# KiCad board panel.kicad_pcb (continued)
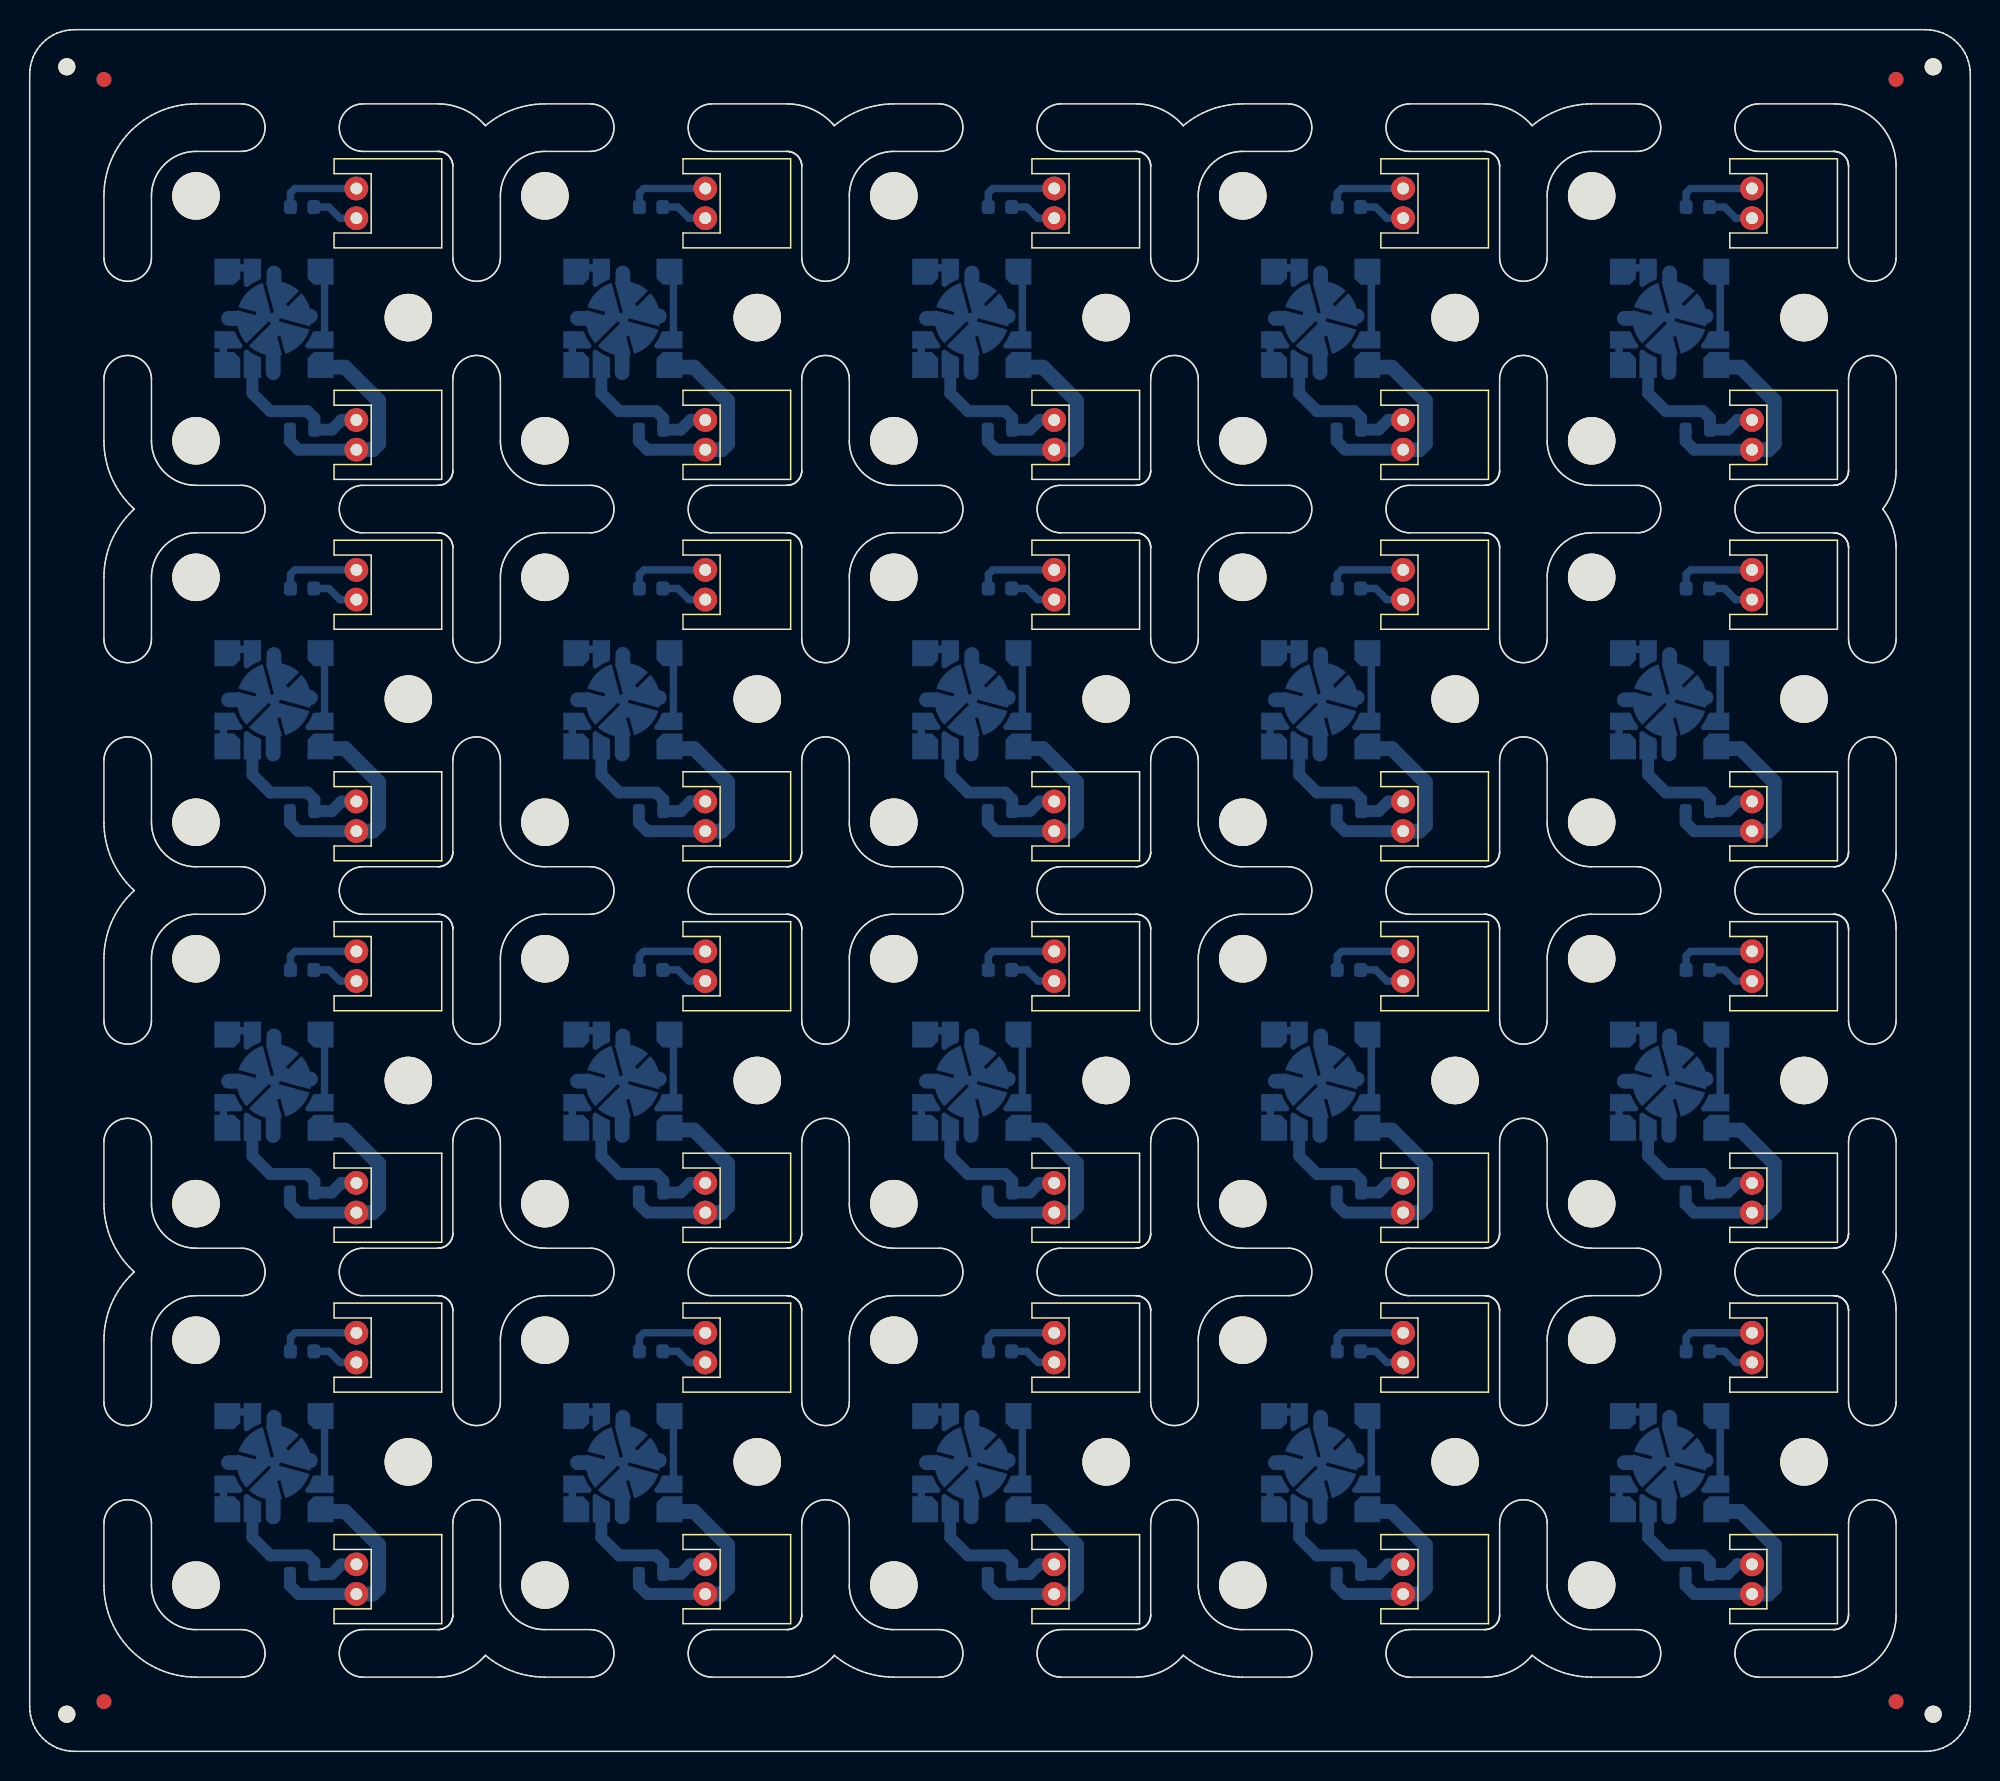
[diagram p0: board, top side]
## Nets
Board_0-/LED_A: D1#19.1 D2#10.2 J3#18.1
Board_0-/LED_K: D1#19.8 D2#10.1 J3#18.2
Board_0-Net-(D1-A2): D1#19.2 D1#19.3
Board_0-Net-(D1-A3): D1#19.4 D1#19.5
Board_0-Net-(D1-A4): D1#19.6 D1#19.7
Board_0-Net-(J1-Pin_1): J1#13.1 TH1#19.1
Board_0-Net-(J1-Pin_2): J1#13.2 TH1#19.2
Board_0-unconnected-(D1-SLUG-Pad9): D1#19.9
Board_1-/LED_A: D1#3.1 D2#18.2 J3#3.1
Board_1-/LED_K: D1#3.8 D2#18.1 J3#3.2
Board_1-Net-(D1-A2): D1#3.2 D1#3.3
Board_1-Net-(D1-A3): D1#3.4 D1#3.5
Board_1-Net-(D1-A4): D1#3.6 D1#3.7
Board_1-Net-(J1-Pin_1): J1#14.1 TH1#18.1
Board_1-Net-(J1-Pin_2): J1#14.2 TH1#18.2
Board_1-unconnected-(D1-SLUG-Pad9): D1#3.9
Board_2-/LED_A: D1#18.1 D2#14.2 J3.1
Board_2-/LED_K: D1#18.8 D2#14.1 J3.2
Board_2-Net-(D1-A2): D1#18.2 D1#18.3
Board_2-Net-(D1-A3): D1#18.4 D1#18.5
Board_2-Net-(D1-A4): D1#18.6 D1#18.7
Board_2-Net-(J1-Pin_1): J1#9.1 TH1#14.1
Board_2-Net-(J1-Pin_2): J1#9.2 TH1#14.2
Board_2-unconnected-(D1-SLUG-Pad9): D1#18.9
Board_3-/LED_A: D1.1 D2#7.2 J3#12.1
Board_3-/LED_K: D1.8 D2#7.1 J3#12.2
Board_3-Net-(D1-A2): D1.2 D1.3
Board_3-Net-(D1-A3): D1.4 D1.5
Board_3-Net-(D1-A4): D1.6 D1.7
Board_3-Net-(J1-Pin_1): J1#15.1 TH1#3.1
Board_3-Net-(J1-Pin_2): J1#15.2 TH1#3.2
Board_3-unconnected-(D1-SLUG-Pad9): D1.9
Board_4-/LED_A: D1#7.1 D2#8.2 J3#20.1
Board_4-/LED_K: D1#7.8 D2#8.1 J3#20.2
Board_4-Net-(D1-A2): D1#7.2 D1#7.3
Board_4-Net-(D1-A3): D1#7.4 D1#7.5
Board_4-Net-(D1-A4): D1#7.6 D1#7.7
Board_4-Net-(J1-Pin_1): J1#11.1 TH1#20.1
Board_4-Net-(J1-Pin_2): J1#11.2 TH1#20.2
Board_4-unconnected-(D1-SLUG-Pad9): D1#7.9
Board_5-/LED_A: D1#15.1 D2#19.2 J3#4.1
Board_5-/LED_K: D1#15.8 D2#19.1 J3#4.2
Board_5-Net-(D1-A2): D1#15.2 D1#15.3
Board_5-Net-(D1-A3): D1#15.4 D1#15.5
Board_5-Net-(D1-A4): D1#15.6 D1#15.7
Board_5-Net-(J1-Pin_1): J1#7.1 TH1#6.1
Board_5-Net-(J1-Pin_2): J1#7.2 TH1#6.2
Board_5-unconnected-(D1-SLUG-Pad9): D1#15.9
Board_6-/LED_A: D1#13.1 D2#13.2 J3#7.1
Board_6-/LED_K: D1#13.8 D2#13.1 J3#7.2
Board_6-Net-(D1-A2): D1#13.2 D1#13.3
Board_6-Net-(D1-A3): D1#13.4 D1#13.5
Board_6-Net-(D1-A4): D1#13.6 D1#13.7
Board_6-Net-(J1-Pin_1): J1#20.1 TH1#17.1
Board_6-Net-(J1-Pin_2): J1#20.2 TH1#17.2
Board_6-unconnected-(D1-SLUG-Pad9): D1#13.9
Board_7-/LED_A: D1#12.1 D2#12.2 J3#8.1
Board_7-/LED_K: D1#12.8 D2#12.1 J3#8.2
Board_7-Net-(D1-A2): D1#12.2 D1#12.3
Board_7-Net-(D1-A3): D1#12.4 D1#12.5
Board_7-Net-(D1-A4): D1#12.6 D1#12.7
Board_7-Net-(J1-Pin_1): J1#8.1 TH1#7.1
Board_7-Net-(J1-Pin_2): J1#8.2 TH1#7.2
Board_7-unconnected-(D1-SLUG-Pad9): D1#12.9
Board_8-/LED_A: D1#5.1 D2#17.2 J3#2.1
Board_8-/LED_K: D1#5.8 D2#17.1 J3#2.2
Board_8-Net-(D1-A2): D1#5.2 D1#5.3
Board_8-Net-(D1-A3): D1#5.4 D1#5.5
Board_8-Net-(D1-A4): D1#5.6 D1#5.7
Board_8-Net-(J1-Pin_1): J1#16.1 TH1#5.1
Board_8-Net-(J1-Pin_2): J1#16.2 TH1#5.2
Board_8-unconnected-(D1-SLUG-Pad9): D1#5.9
Board_9-/LED_A: D1#6.1 D2#20.2 J3#16.1
Board_9-/LED_K: D1#6.8 D2#20.1 J3#16.2
Board_9-Net-(D1-A2): D1#6.2 D1#6.3
Board_9-Net-(D1-A3): D1#6.4 D1#6.5
Board_9-Net-(D1-A4): D1#6.6 D1#6.7
Board_9-Net-(J1-Pin_1): J1#5.1 TH1#15.1
Board_9-Net-(J1-Pin_2): J1#5.2 TH1#15.2
Board_9-unconnected-(D1-SLUG-Pad9): D1#6.9
Board_10-/LED_A: D1#9.1 D2#16.2 J3#5.1
Board_10-/LED_K: D1#9.8 D2#16.1 J3#5.2
Board_10-Net-(D1-A2): D1#9.2 D1#9.3
Board_10-Net-(D1-A3): D1#9.4 D1#9.5
Board_10-Net-(D1-A4): D1#9.6 D1#9.7
Board_10-Net-(J1-Pin_1): J1#12.1 TH1#13.1
Board_10-Net-(J1-Pin_2): J1#12.2 TH1#13.2
Board_10-unconnected-(D1-SLUG-Pad9): D1#9.9
Board_11-/LED_A: D1#2.1 D2#15.2 J3#15.1
Board_11-/LED_K: D1#2.8 D2#15.1 J3#15.2
Board_11-Net-(D1-A2): D1#2.2 D1#2.3
Board_11-Net-(D1-A3): D1#2.4 D1#2.5
Board_11-Net-(D1-A4): D1#2.6 D1#2.7
Board_11-Net-(J1-Pin_1): J1#10.1 TH1#2.1
Board_11-Net-(J1-Pin_2): J1#10.2 TH1#2.2
Board_11-unconnected-(D1-SLUG-Pad9): D1#2.9
Board_12-/LED_A: D1#8.1 D2#4.2 J3#13.1
Board_12-/LED_K: D1#8.8 D2#4.1 J3#13.2
Board_12-Net-(D1-A2): D1#8.2 D1#8.3
Board_12-Net-(D1-A3): D1#8.4 D1#8.5
Board_12-Net-(D1-A4): D1#8.6 D1#8.7
Board_12-Net-(J1-Pin_1): J1#2.1 TH1#9.1
Board_12-Net-(J1-Pin_2): J1#2.2 TH1#9.2
Board_12-unconnected-(D1-SLUG-Pad9): D1#8.9
Board_13-/LED_A: D1#14.1 D2.2 J3#9.1
Board_13-/LED_K: D1#14.8 D2.1 J3#9.2
Board_13-Net-(D1-A2): D1#14.2 D1#14.3
Board_13-Net-(D1-A3): D1#14.4 D1#14.5
Board_13-Net-(D1-A4): D1#14.6 D1#14.7
Board_13-Net-(J1-Pin_1): J1#17.1 TH1#4.1
Board_13-Net-(J1-Pin_2): J1#17.2 TH1#4.2
Board_13-unconnected-(D1-SLUG-Pad9): D1#14.9
Board_14-/LED_A: D1#17.1 D2#5.2 J3#6.1
Board_14-/LED_K: D1#17.8 D2#5.1 J3#6.2
Board_14-Net-(D1-A2): D1#17.2 D1#17.3
Board_14-Net-(D1-A3): D1#17.4 D1#17.5
Board_14-Net-(D1-A4): D1#17.6 D1#17.7
Board_14-Net-(J1-Pin_1): J1#18.1 TH1#11.1
Board_14-Net-(J1-Pin_2): J1#18.2 TH1#11.2
Board_14-unconnected-(D1-SLUG-Pad9): D1#17.9
Board_15-/LED_A: D1#10.1 D2#3.2 J3#14.1
Board_15-/LED_K: D1#10.8 D2#3.1 J3#14.2
Board_15-Net-(D1-A2): D1#10.2 D1#10.3
Board_15-Net-(D1-A3): D1#10.4 D1#10.5
Board_15-Net-(D1-A4): D1#10.6 D1#10.7
Board_15-Net-(J1-Pin_1): J1#6.1 TH1.1
Board_15-Net-(J1-Pin_2): J1#6.2 TH1.2
Board_15-unconnected-(D1-SLUG-Pad9): D1#10.9
Board_16-/LED_A: D1#20.1 D2#9.2 J3#17.1
Board_16-/LED_K: D1#20.8 D2#9.1 J3#17.2
Board_16-Net-(D1-A2): D1#20.2 D1#20.3
Board_16-Net-(D1-A3): D1#20.4 D1#20.5
Board_16-Net-(D1-A4): D1#20.6 D1#20.7
Board_16-Net-(J1-Pin_1): J1#4.1 TH1#12.1
Board_16-Net-(J1-Pin_2): J1#4.2 TH1#12.2
Board_16-unconnected-(D1-SLUG-Pad9): D1#20.9
Board_17-/LED_A: D1#4.1 D2#11.2 J3#11.1
Board_17-/LED_K: D1#4.8 D2#11.1 J3#11.2
Board_17-Net-(D1-A2): D1#4.2 D1#4.3
Board_17-Net-(D1-A3): D1#4.4 D1#4.5
Board_17-Net-(D1-A4): D1#4.6 D1#4.7
Board_17-Net-(J1-Pin_1): J1.1 TH1#8.1
Board_17-Net-(J1-Pin_2): J1.2 TH1#8.2
Board_17-unconnected-(D1-SLUG-Pad9): D1#4.9
Board_18-/LED_A: D1#11.1 D2#6.2 J3#10.1
Board_18-/LED_K: D1#11.8 D2#6.1 J3#10.2
Board_18-Net-(D1-A2): D1#11.2 D1#11.3
Board_18-Net-(D1-A3): D1#11.4 D1#11.5
Board_18-Net-(D1-A4): D1#11.6 D1#11.7
Board_18-Net-(J1-Pin_1): J1#3.1 TH1#16.1
Board_18-Net-(J1-Pin_2): J1#3.2 TH1#16.2
Board_18-unconnected-(D1-SLUG-Pad9): D1#11.9
Board_19-/LED_A: D1#16.1 D2#2.2 J3#19.1
Board_19-/LED_K: D1#16.8 D2#2.1 J3#19.2
Board_19-Net-(D1-A2): D1#16.2 D1#16.3
Board_19-Net-(D1-A3): D1#16.4 D1#16.5
Board_19-Net-(D1-A4): D1#16.6 D1#16.7
Board_19-Net-(J1-Pin_1): J1#19.1 TH1#10.1
Board_19-Net-(J1-Pin_2): J1#19.2 TH1#10.2
Board_19-unconnected-(D1-SLUG-Pad9): D1#16.9

## Routing (per net, layer and track width the routed paths; a pad name or vN(x,y) marks a point on that pad's centre or on a via; arc(x,y) is an arc through that point)
Board_0-/LED_A: length 14.9
  Bottom w0.8: 22.5,87.7 18.1,87.7 17.52,88.28 D2#10.2
  Bottom w1: D1#19.1 21.24,93.26 23.5,91 23.5,88.1 23.1,87.7 22.5,87.7
Board_0-/LED_K: length 10.4
  Bottom w0.8: J3#18.2 21,89.7 20.35,89.05 D2#10.1 19.17,89.83 18.7,90.3 16.2,90.3 15,91.5 D1#19.8
Board_0-Net-(D1-A2): length 4.6
  Bottom w0.5: D1#19.3 19.85,99.59 D1#19.2
Board_0-Net-(D1-A3): length 1.8
  Bottom w0.5: D1#19.4 13.41,99.95 D1#19.5
Board_0-Net-(D1-A4): length 1.7
  Bottom w0.5: D1#19.7 13.04,93.5 D1#19.6
Board_0-Net-(J1-Pin_1): length 3.7
  Bottom w0.5: TH1#19.1 20.15,104.05 20.9,103.3 22.5,103.3
Board_0-Net-(J1-Pin_2): length 5.5
  Bottom w0.5: 17.56,104.55 17.56,105 17.86,105.3 22.5,105.3
Board_0-unconnected-(D1-SLUG-Pad9): length 2.8
  Bottom w1: 18.9,96.7 18.65,96.7 ; 16.4,94.22 16.4,92.9 ; 16.45,99.6 16.45,99 ; 13.97,96.55 13.4,96.55
Board_1-/LED_A: length 14.9
  Bottom w0.8: D2#18.2 41.02,88.28 41.6,87.7 46,87.7
  Bottom w1: D1#3.1 44.74,93.26 47,91 47,88.1 46.6,87.7 46,87.7
Board_1-/LED_K: length 10.4
  Bottom w0.8: J3#3.2 44.5,89.7 43.85,89.05 D2#18.1 42.67,89.83 42.2,90.3 39.7,90.3 38.5,91.5 D1#3.8
Board_1-Net-(D1-A2): length 4.6
  Bottom w0.5: D1#3.2 43.35,99.59 D1#3.3
Board_1-Net-(D1-A3): length 1.8
  Bottom w0.5: D1#3.5 36.91,99.95 D1#3.4
Board_1-Net-(D1-A4): length 1.7
  Bottom w0.5: D1#3.7 36.54,93.5 D1#3.6
Board_1-Net-(J1-Pin_1): length 3.7
  Bottom w0.5: 46,103.3 44.4,103.3 43.65,104.05 TH1#18.1
Board_1-Net-(J1-Pin_2): length 5.5
  Bottom w0.5: 46,105.3 41.36,105.3 41.06,105 41.06,104.55
Board_1-unconnected-(D1-SLUG-Pad9): length 2.8
  Bottom w1: 39.95,99.6 39.95,99 ; 39.9,94.22 39.9,92.9 ; 42.4,96.7 42.15,96.7 ; 37.47,96.55 36.9,96.55
Board_2-/LED_A: length 14.9
  Bottom w0.8: D2#14.2 64.53,88.28 65.1,87.7 69.5,87.7
  Bottom w1: 69.5,87.7 70.1,87.7 70.5,88.1 70.5,91 68.24,93.26 D1#18.1
Board_2-/LED_K: length 10.4
  Bottom w0.8: D1#18.8 62,91.5 63.2,90.3 65.7,90.3 66.17,89.83 D2#14.1 67.35,89.05 68,89.7 J3.2
Board_2-Net-(D1-A2): length 4.6
  Bottom w0.5: D1#18.3 66.85,99.59 D1#18.2
Board_2-Net-(D1-A3): length 1.8
  Bottom w0.5: D1#18.4 60.41,99.95 D1#18.5
Board_2-Net-(D1-A4): length 1.7
  Bottom w0.5: D1#18.7 60.04,93.5 D1#18.6
Board_2-Net-(J1-Pin_1): length 3.7
  Bottom w0.5: 69.5,103.3 67.9,103.3 67.15,104.05 TH1#14.1
Board_2-Net-(J1-Pin_2): length 5.5
  Bottom w0.5: 69.5,105.3 64.86,105.3 64.56,105 64.56,104.55
Board_2-unconnected-(D1-SLUG-Pad9): length 2.7
  Bottom w1: 65.9,96.7 65.65,96.7 ; 63.4,94.22 63.4,92.9 ; 60.97,96.55 60.4,96.55 ; 63.45,99.6 63.45,99
Board_3-/LED_A: length 14.9
  Bottom w0.8: D2#7.2 88.03,88.28 88.6,87.7 93,87.7
  Bottom w1: 93,87.7 93.6,87.7 94,88.1 94,91 91.74,93.26 D1.1
Board_3-/LED_K: length 10.4
  Bottom w0.8: D1.8 85.5,91.5 86.7,90.3 89.2,90.3 89.67,89.83 D2#7.1 90.85,89.05 91.5,89.7 J3#12.2
Board_3-Net-(D1-A2): length 4.6
  Bottom w0.5: D1.2 90.35,99.59 D1.3
Board_3-Net-(D1-A3): length 1.8
  Bottom w0.5: D1.5 83.91,99.95 D1.4
Board_3-Net-(D1-A4): length 1.7
  Bottom w0.5: D1.7 83.54,93.5 D1.6
Board_3-Net-(J1-Pin_1): length 3.7
  Bottom w0.5: TH1#3.1 90.65,104.05 91.4,103.3 93,103.3
Board_3-Net-(J1-Pin_2): length 5.5
  Bottom w0.5: 88.06,104.55 88.06,105 88.36,105.3 93,105.3
Board_3-unconnected-(D1-SLUG-Pad9): length 2.7
  Bottom w1: 84.47,96.55 83.9,96.55 ; 86.95,99.6 86.95,99 ; 89.4,96.7 89.15,96.7 ; 86.9,94.22 86.9,92.9
Board_4-/LED_A: length 14.9
  Bottom w0.8: D2#8.2 111.53,88.28 112.1,87.7 116.5,87.7
  Bottom w1: 116.5,87.7 117.1,87.7 117.5,88.1 117.5,91 115.24,93.26 D1#7.1
Board_4-/LED_K: length 10.4
  Bottom w0.8: D1#7.8 109,91.5 110.2,90.3 112.7,90.3 113.17,89.83 D2#8.1 114.35,89.05 115,89.7 J3#20.2
Board_4-Net-(D1-A2): length 4.6
  Bottom w0.5: D1#7.2 113.85,99.59 D1#7.3
Board_4-Net-(D1-A3): length 1.8
  Bottom w0.5: D1#7.5 107.41,99.95 D1#7.4
Board_4-Net-(D1-A4): length 1.7
  Bottom w0.5: D1#7.7 107.04,93.5 D1#7.6
Board_4-Net-(J1-Pin_1): length 3.7
  Bottom w0.5: 116.5,103.3 114.9,103.3 114.15,104.05 TH1#20.1
Board_4-Net-(J1-Pin_2): length 5.5
  Bottom w0.5: 116.5,105.3 111.86,105.3 111.56,105 111.56,104.55
Board_4-unconnected-(D1-SLUG-Pad9): length 2.7
  Bottom w1: 112.9,96.7 112.65,96.7 ; 107.97,96.55 107.4,96.55 ; 110.4,94.22 110.4,92.9 ; 110.45,99.6 110.45,99
Board_5-/LED_A: length 14.9
  Bottom w0.8: 22.5,62 18.1,62 17.52,62.58 D2#19.2
  Bottom w1: D1#15.1 21.24,67.56 23.5,65.3 23.5,62.4 23.1,62 22.5,62
Board_5-/LED_K: length 10.4
  Bottom w0.8: D1#15.8 15,65.8 16.2,64.6 18.7,64.6 19.17,64.12 D2#19.1 20.35,63.35 21,64 J3#4.2
Board_5-Net-(D1-A2): length 4.6
  Bottom w0.5: D1#15.3 19.85,73.9 D1#15.2
Board_5-Net-(D1-A3): length 1.8
  Bottom w0.5: 15,74.25 13.41,74.25 D1#15.5
Board_5-Net-(D1-A4): length 1.7
  Bottom w0.5: D1#15.7 13.04,67.81 D1#15.6
Board_5-Net-(J1-Pin_1): length 3.7
  Bottom w0.5: TH1#6.1 20.15,78.35 20.9,77.6 22.5,77.6
Board_5-Net-(J1-Pin_2): length 5.5
  Bottom w0.5: 22.5,79.6 17.86,79.6 17.56,79.3 17.56,78.85
Board_5-unconnected-(D1-SLUG-Pad9): length 2.8
  Bottom w1: 16.45,73.9 16.45,73.3 ; 18.9,71 18.65,71 ; 13.97,70.85 13.4,70.85 ; 16.4,68.53 16.4,67.2
Board_6-/LED_A: length 14.9
  Bottom w0.8: 46,62 41.6,62 41.02,62.58 D2#13.2
  Bottom w1: D1#13.1 44.74,67.56 47,65.3 47,62.4 46.6,62 46,62
Board_6-/LED_K: length 10.4
  Bottom w0.8: D1#13.8 38.5,65.8 39.7,64.6 42.2,64.6 42.67,64.12 D2#13.1 43.85,63.35 44.5,64 J3#7.2
Board_6-Net-(D1-A2): length 4.6
  Bottom w0.5: D1#13.2 43.35,73.9 D1#13.3
Board_6-Net-(D1-A3): length 1.8
  Bottom w0.5: D1#13.5 36.91,74.25 38.5,74.25
Board_6-Net-(D1-A4): length 1.7
  Bottom w0.5: D1#13.6 36.54,67.81 D1#13.7
Board_6-Net-(J1-Pin_1): length 3.7
  Bottom w0.5: TH1#17.1 43.65,78.35 44.4,77.6 46,77.6
Board_6-Net-(J1-Pin_2): length 5.5
  Bottom w0.5: 46,79.6 41.36,79.6 41.06,79.3 41.06,78.85
Board_6-unconnected-(D1-SLUG-Pad9): length 2.8
  Bottom w1: 39.95,73.9 39.95,73.3 ; 37.47,70.85 36.9,70.85 ; 39.9,68.53 39.9,67.2 ; 42.4,71 42.15,71
Board_7-/LED_A: length 14.9
  Bottom w0.8: 69.5,62 65.1,62 64.53,62.58 D2#12.2
  Bottom w1: 69.5,62 70.1,62 70.5,62.4 70.5,65.3 68.24,67.56 D1#12.1
Board_7-/LED_K: length 10.4
  Bottom w0.8: D1#12.8 62,65.8 63.2,64.6 65.7,64.6 66.17,64.12 D2#12.1 67.35,63.35 68,64 J3#8.2
Board_7-Net-(D1-A2): length 4.6
  Bottom w0.5: D1#12.3 66.85,73.9 D1#12.2
Board_7-Net-(D1-A3): length 1.8
  Bottom w0.5: D1#12.5 60.41,74.25 62,74.25
Board_7-Net-(D1-A4): length 1.7
  Bottom w0.5: D1#12.7 60.04,67.81 D1#12.6
Board_7-Net-(J1-Pin_1): length 3.7
  Bottom w0.5: 69.5,77.6 67.9,77.6 67.15,78.35 TH1#7.1
Board_7-Net-(J1-Pin_2): length 5.5
  Bottom w0.5: 69.5,79.6 64.86,79.6 64.56,79.3 64.56,78.85
Board_7-unconnected-(D1-SLUG-Pad9): length 2.7
  Bottom w1: 63.4,68.53 63.4,67.2 ; 65.9,71 65.65,71 ; 60.97,70.85 60.4,70.85 ; 63.45,73.9 63.45,73.3
Board_8-/LED_A: length 14.9
  Bottom w0.8: 93,62 88.6,62 88.03,62.58 D2#17.2
  Bottom w1: D1#5.1 91.74,67.56 94,65.3 94,62.4 93.6,62 93,62
Board_8-/LED_K: length 10.4
  Bottom w0.8: D1#5.8 85.5,65.8 86.7,64.6 89.2,64.6 89.67,64.12 D2#17.1 90.85,63.35 91.5,64 J3#2.2
Board_8-Net-(D1-A2): length 4.6
  Bottom w0.5: D1#5.3 90.35,73.9 D1#5.2
Board_8-Net-(D1-A3): length 1.8
  Bottom w0.5: 85.5,74.25 83.91,74.25 D1#5.5
Board_8-Net-(D1-A4): length 1.7
  Bottom w0.5: D1#5.6 83.54,67.81 D1#5.7
Board_8-Net-(J1-Pin_1): length 3.7
  Bottom w0.5: 93,77.6 91.4,77.6 90.65,78.35 TH1#5.1
Board_8-Net-(J1-Pin_2): length 5.5
  Bottom w0.5: 93,79.6 88.36,79.6 88.06,79.3 88.06,78.85
Board_8-unconnected-(D1-SLUG-Pad9): length 2.7
  Bottom w1: 86.9,68.53 86.9,67.2 ; 84.47,70.85 83.9,70.85 ; 89.4,71 89.15,71 ; 86.95,73.9 86.95,73.3
Board_9-/LED_A: length 14.9
  Bottom w0.8: D2#20.2 111.53,62.58 112.1,62 116.5,62
  Bottom w1: D1#6.1 115.24,67.56 117.5,65.3 117.5,62.4 117.1,62 116.5,62
Board_9-/LED_K: length 10.4
  Bottom w0.8: J3#16.2 115,64 114.35,63.35 D2#20.1 113.17,64.12 112.7,64.6 110.2,64.6 109,65.8 D1#6.8
Board_9-Net-(D1-A2): length 4.6
  Bottom w0.5: D1#6.3 113.85,73.9 D1#6.2
Board_9-Net-(D1-A3): length 1.8
  Bottom w0.5: 109,74.25 107.41,74.25 D1#6.5
Board_9-Net-(D1-A4): length 1.7
  Bottom w0.5: D1#6.7 107.04,67.81 D1#6.6
Board_9-Net-(J1-Pin_1): length 3.7
  Bottom w0.5: 116.5,77.6 114.9,77.6 114.15,78.35 TH1#15.1
Board_9-Net-(J1-Pin_2): length 5.5
  Bottom w0.5: 111.56,78.85 111.56,79.3 111.86,79.6 116.5,79.6
Board_9-unconnected-(D1-SLUG-Pad9): length 2.7
  Bottom w1: 110.4,68.53 110.4,67.2 ; 110.45,73.9 110.45,73.3 ; 112.9,71 112.65,71 ; 107.97,70.85 107.4,70.85
Board_10-/LED_A: length 14.9
  Bottom w0.8: D2#16.2 17.52,36.88 18.1,36.3 22.5,36.3
  Bottom w1: D1#9.1 21.24,41.86 23.5,39.6 23.5,36.7 23.1,36.3 22.5,36.3
Board_10-/LED_K: length 10.4
  Bottom w0.8: D1#9.8 15,40.1 16.2,38.9 18.7,38.9 19.17,38.42 D2#16.1 20.35,37.65 21,38.3 J3#5.2
Board_10-Net-(D1-A2): length 4.6
  Bottom w0.5: D1#9.3 19.85,48.19 D1#9.2
Board_10-Net-(D1-A3): length 1.8
  Bottom w0.5: D1#9.4 13.41,48.56 D1#9.5
Board_10-Net-(D1-A4): length 1.7
  Bottom w0.5: D1#9.7 13.04,42.11 D1#9.6
Board_10-Net-(J1-Pin_1): length 3.7
  Bottom w0.5: 22.5,51.9 20.9,51.9 20.15,52.65 TH1#13.1
Board_10-Net-(J1-Pin_2): length 5.5
  Bottom w0.5: 17.56,53.15 17.56,53.6 17.86,53.9 22.5,53.9
Board_10-unconnected-(D1-SLUG-Pad9): length 2.8
  Bottom w1: 13.97,45.15 13.4,45.15 ; 16.4,42.83 16.4,41.5 ; 16.45,48.2 16.45,47.6 ; 18.9,45.3 18.65,45.3
Board_11-/LED_A: length 14.9
  Bottom w0.8: 46,36.3 41.6,36.3 41.02,36.88 D2#15.2
  Bottom w1: 46,36.3 46.6,36.3 47,36.7 47,39.6 44.74,41.86 D1#2.1
Board_11-/LED_K: length 10.4
  Bottom w0.8: D1#2.8 38.5,40.1 39.7,38.9 42.2,38.9 42.67,38.42 D2#15.1 43.85,37.65 44.5,38.3 J3#15.2
Board_11-Net-(D1-A2): length 4.6
  Bottom w0.5: D1#2.3 43.35,48.19 D1#2.2
Board_11-Net-(D1-A3): length 1.8
  Bottom w0.5: D1#2.5 36.91,48.56 D1#2.4
Board_11-Net-(D1-A4): length 1.7
  Bottom w0.5: D1#2.7 36.54,42.11 D1#2.6
Board_11-Net-(J1-Pin_1): length 3.7
  Bottom w0.5: TH1#2.1 43.65,52.65 44.4,51.9 46,51.9
Board_11-Net-(J1-Pin_2): length 5.5
  Bottom w0.5: 46,53.9 41.36,53.9 41.06,53.6 41.06,53.15
Board_11-unconnected-(D1-SLUG-Pad9): length 2.8
  Bottom w1: 39.95,48.2 39.95,47.6 ; 37.47,45.15 36.9,45.15 ; 39.9,42.83 39.9,41.5 ; 42.4,45.3 42.15,45.3
Board_12-/LED_A: length 14.9
  Bottom w0.8: 69.5,36.3 65.1,36.3 64.53,36.88 D2#4.2
  Bottom w1: D1#8.1 68.24,41.86 70.5,39.6 70.5,36.7 70.1,36.3 69.5,36.3
Board_12-/LED_K: length 10.4
  Bottom w0.8: D1#8.8 62,40.1 63.2,38.9 65.7,38.9 66.17,38.42 D2#4.1 67.35,37.65 68,38.3 J3#13.2
Board_12-Net-(D1-A2): length 4.6
  Bottom w0.5: D1#8.2 66.85,48.19 D1#8.3
Board_12-Net-(D1-A3): length 1.8
  Bottom w0.5: D1#8.5 60.41,48.56 D1#8.4
Board_12-Net-(D1-A4): length 1.7
  Bottom w0.5: D1#8.6 60.04,42.11 D1#8.7
Board_12-Net-(J1-Pin_1): length 3.7
  Bottom w0.5: TH1#9.1 67.15,52.65 67.9,51.9 69.5,51.9
Board_12-Net-(J1-Pin_2): length 5.5
  Bottom w0.5: 64.56,53.15 64.56,53.6 64.86,53.9 69.5,53.9
Board_12-unconnected-(D1-SLUG-Pad9): length 2.8
  Bottom w1: 63.45,48.2 63.45,47.6 ; 63.4,42.83 63.4,41.5 ; 60.97,45.15 60.4,45.15 ; 65.9,45.3 65.65,45.3
Board_13-/LED_A: length 14.9
  Bottom w0.8: 93,36.3 88.6,36.3 88.03,36.88 D2.2
  Bottom w1: D1#14.1 91.74,41.86 94,39.6 94,36.7 93.6,36.3 93,36.3
Board_13-/LED_K: length 10.4
  Bottom w0.8: J3#9.2 91.5,38.3 90.85,37.65 D2.1 89.67,38.42 89.2,38.9 86.7,38.9 85.5,40.1 D1#14.8
Board_13-Net-(D1-A2): length 4.6
  Bottom w0.5: D1#14.3 90.35,48.19 D1#14.2
Board_13-Net-(D1-A3): length 1.8
  Bottom w0.5: D1#14.4 83.91,48.56 D1#14.5
Board_13-Net-(D1-A4): length 1.7
  Bottom w0.5: D1#14.7 83.54,42.11 D1#14.6
Board_13-Net-(J1-Pin_1): length 3.7
  Bottom w0.5: TH1#4.1 90.65,52.65 91.4,51.9 93,51.9
Board_13-Net-(J1-Pin_2): length 5.5
  Bottom w0.5: 93,53.9 88.36,53.9 88.06,53.6 88.06,53.15
Board_13-unconnected-(D1-SLUG-Pad9): length 2.8
  Bottom w1: 89.4,45.3 89.15,45.3 ; 84.47,45.15 83.9,45.15 ; 86.95,48.2 86.95,47.6 ; 86.9,42.83 86.9,41.5
Board_14-/LED_A: length 14.9
  Bottom w0.8: D2#5.2 111.53,36.88 112.1,36.3 116.5,36.3
  Bottom w1: D1#17.1 115.24,41.86 117.5,39.6 117.5,36.7 117.1,36.3 116.5,36.3
Board_14-/LED_K: length 10.4
  Bottom w0.8: D1#17.8 109,40.1 110.2,38.9 112.7,38.9 113.17,38.42 D2#5.1 114.35,37.65 115,38.3 J3#6.2
Board_14-Net-(D1-A2): length 4.6
  Bottom w0.5: D1#17.3 113.85,48.19 D1#17.2
Board_14-Net-(D1-A3): length 1.8
  Bottom w0.5: D1#17.5 107.41,48.56 D1#17.4
Board_14-Net-(D1-A4): length 1.7
  Bottom w0.5: D1#17.7 107.04,42.11 D1#17.6
Board_14-Net-(J1-Pin_1): length 3.7
  Bottom w0.5: 116.5,51.9 114.9,51.9 114.15,52.65 TH1#11.1
Board_14-Net-(J1-Pin_2): length 5.5
  Bottom w0.5: 116.5,53.9 111.86,53.9 111.56,53.6 111.56,53.15
Board_14-unconnected-(D1-SLUG-Pad9): length 2.8
  Bottom w1: 112.9,45.3 112.65,45.3 ; 110.45,48.2 110.45,47.6 ; 110.4,42.83 110.4,41.5 ; 107.97,45.15 107.4,45.15
Board_15-/LED_A: length 14.9
  Bottom w0.8: D2#3.2 17.52,11.17 18.1,10.6 22.5,10.6
  Bottom w1: D1#10.1 21.24,16.16 23.5,13.9 23.5,11 23.1,10.6 22.5,10.6
Board_15-/LED_K: length 10.4
  Bottom w0.8: J3#14.2 21,12.6 20.35,11.95 D2#3.1 19.17,12.72 18.7,13.2 16.2,13.2 15,14.4 D1#10.8
Board_15-Net-(D1-A2): length 4.6
  Bottom w0.5: D1#10.3 19.85,22.5 D1#10.2
Board_15-Net-(D1-A3): length 1.8
  Bottom w0.5: D1#10.4 13.41,22.86 D1#10.5
Board_15-Net-(D1-A4): length 1.7
  Bottom w0.5: D1#10.6 13.04,16.41 D1#10.7
Board_15-Net-(J1-Pin_1): length 3.7
  Bottom w0.5: 22.5,26.2 20.9,26.2 20.15,26.95 TH1.1
Board_15-Net-(J1-Pin_2): length 5.5
  Bottom w0.5: 22.5,28.2 17.86,28.2 17.56,27.9 17.56,27.45
Board_15-unconnected-(D1-SLUG-Pad9): length 2.8
  Bottom w1: 18.9,19.6 18.65,19.6 ; 16.45,22.5 16.45,21.9 ; 16.4,17.12 16.4,15.8 ; 13.97,19.45 13.4,19.45
Board_16-/LED_A: length 14.9
  Bottom w0.8: 46,10.6 41.6,10.6 41.02,11.17 D2#9.2
  Bottom w1: 46,10.6 46.6,10.6 47,11 47,13.9 44.74,16.16 D1#20.1
Board_16-/LED_K: length 10.4
  Bottom w0.8: D1#20.8 38.5,14.4 39.7,13.2 42.2,13.2 42.67,12.72 D2#9.1 43.85,11.95 44.5,12.6 J3#17.2
Board_16-Net-(D1-A2): length 4.6
  Bottom w0.5: D1#20.2 43.35,22.5 D1#20.3
Board_16-Net-(D1-A3): length 1.8
  Bottom w0.5: D1#20.4 36.91,22.86 D1#20.5
Board_16-Net-(D1-A4): length 1.7
  Bottom w0.5: D1#20.6 36.54,16.41 D1#20.7
Board_16-Net-(J1-Pin_1): length 3.7
  Bottom w0.5: 46,26.2 44.4,26.2 43.65,26.95 TH1#12.1
Board_16-Net-(J1-Pin_2): length 5.5
  Bottom w0.5: 41.06,27.45 41.06,27.9 41.36,28.2 46,28.2
Board_16-unconnected-(D1-SLUG-Pad9): length 2.8
  Bottom w1: 42.4,19.6 42.15,19.6 ; 39.95,22.5 39.95,21.9 ; 37.47,19.45 36.9,19.45 ; 39.9,17.12 39.9,15.8
Board_17-/LED_A: length 14.9
  Bottom w0.8: 69.5,10.6 65.1,10.6 64.53,11.17 D2#11.2
  Bottom w1: 69.5,10.6 70.1,10.6 70.5,11 70.5,13.9 68.24,16.16 D1#4.1
Board_17-/LED_K: length 10.4
  Bottom w0.8: D1#4.8 62,14.4 63.2,13.2 65.7,13.2 66.17,12.72 D2#11.1 67.35,11.95 68,12.6 J3#11.2
Board_17-Net-(D1-A2): length 4.6
  Bottom w0.5: D1#4.2 66.85,22.5 D1#4.3
Board_17-Net-(D1-A3): length 1.8
  Bottom w0.5: D1#4.4 60.41,22.86 D1#4.5
Board_17-Net-(D1-A4): length 1.7
  Bottom w0.5: D1#4.7 60.04,16.41 D1#4.6
Board_17-Net-(J1-Pin_1): length 3.7
  Bottom w0.5: 69.5,26.2 67.9,26.2 67.15,26.95 TH1#8.1
Board_17-Net-(J1-Pin_2): length 5.5
  Bottom w0.5: 64.56,27.45 64.56,27.9 64.86,28.2 69.5,28.2
Board_17-unconnected-(D1-SLUG-Pad9): length 2.7
  Bottom w1: 63.4,17.12 63.4,15.8 ; 65.9,19.6 65.65,19.6 ; 60.97,19.45 60.4,19.45 ; 63.45,22.5 63.45,21.9
Board_18-/LED_A: length 14.9
  Bottom w0.8: 93,10.6 88.6,10.6 88.03,11.17 D2#6.2
  Bottom w1: D1#11.1 91.74,16.16 94,13.9 94,11 93.6,10.6 93,10.6
Board_18-/LED_K: length 10.4
  Bottom w0.8: D1#11.8 85.5,14.4 86.7,13.2 89.2,13.2 89.67,12.72 D2#6.1 90.85,11.95 91.5,12.6 J3#10.2
Board_18-Net-(D1-A2): length 4.6
  Bottom w0.5: D1#11.3 90.35,22.5 D1#11.2
Board_18-Net-(D1-A3): length 1.8
  Bottom w0.5: D1#11.5 83.91,22.86 D1#11.4
Board_18-Net-(D1-A4): length 1.7
  Bottom w0.5: D1#11.6 83.54,16.41 D1#11.7
Board_18-Net-(J1-Pin_1): length 3.7
  Bottom w0.5: TH1#16.1 90.65,26.95 91.4,26.2 93,26.2
Board_18-Net-(J1-Pin_2): length 5.5
  Bottom w0.5: 88.06,27.45 88.06,27.9 88.36,28.2 93,28.2
Board_18-unconnected-(D1-SLUG-Pad9): length 2.7
  Bottom w1: 84.47,19.45 83.9,19.45 ; 86.95,22.5 86.95,21.9 ; 86.9,17.12 86.9,15.8 ; 89.4,19.6 89.15,19.6
Board_19-/LED_A: length 14.9
  Bottom w0.8: 116.5,10.6 112.1,10.6 111.53,11.17 D2#2.2
  Bottom w1: D1#16.1 115.24,16.16 117.5,13.9 117.5,11 117.1,10.6 116.5,10.6
Board_19-/LED_K: length 10.4
  Bottom w0.8: D1#16.8 109,14.4 110.2,13.2 112.7,13.2 113.17,12.72 D2#2.1 114.35,11.95 115,12.6 J3#19.2
Board_19-Net-(D1-A2): length 4.6
  Bottom w0.5: D1#16.3 113.85,22.5 D1#16.2
Board_19-Net-(D1-A3): length 1.8
  Bottom w0.5: D1#16.4 107.41,22.86 D1#16.5
Board_19-Net-(D1-A4): length 1.7
  Bottom w0.5: D1#16.6 107.04,16.41 D1#16.7
Board_19-Net-(J1-Pin_1): length 3.7
  Bottom w0.5: 116.5,26.2 114.9,26.2 114.15,26.95 TH1#10.1
Board_19-Net-(J1-Pin_2): length 5.5
  Bottom w0.5: 116.5,28.2 111.86,28.2 111.56,27.9 111.56,27.45
Board_19-unconnected-(D1-SLUG-Pad9): length 2.7
  Bottom w1: 107.97,19.45 107.4,19.45 ; 112.9,19.6 112.65,19.6 ; 110.45,22.5 110.45,21.9 ; 110.4,17.12 110.4,15.8

## Copper pours and planes (outline as drawn; the poured copper is in the pictures)
Board_0-unconnected-(D1-SLUG-Pad9) on Bottom: 8.2,107.8 28.5,107.8 28.5,85.3 8.2,85.3
Board_1-unconnected-(D1-SLUG-Pad9) on Bottom: 31.7,107.8 52,107.8 52,85.3 31.7,85.3
Board_2-unconnected-(D1-SLUG-Pad9) on Bottom: 55.2,107.8 75.5,107.8 75.5,85.3 55.2,85.3
Board_3-unconnected-(D1-SLUG-Pad9) on Bottom: 78.7,107.8 99,107.8 99,85.3 78.7,85.3
Board_4-unconnected-(D1-SLUG-Pad9) on Bottom: 102.2,107.8 122.5,107.8 122.5,85.3 102.2,85.3
Board_5-unconnected-(D1-SLUG-Pad9) on Bottom: 8.2,82.1 28.5,82.1 28.5,59.6 8.2,59.6
Board_6-unconnected-(D1-SLUG-Pad9) on Bottom: 31.7,82.1 52,82.1 52,59.6 31.7,59.6
Board_7-unconnected-(D1-SLUG-Pad9) on Bottom: 55.2,82.1 75.5,82.1 75.5,59.6 55.2,59.6
Board_8-unconnected-(D1-SLUG-Pad9) on Bottom: 78.7,82.1 99,82.1 99,59.6 78.7,59.6
Board_9-unconnected-(D1-SLUG-Pad9) on Bottom: 102.2,82.1 122.5,82.1 122.5,59.6 102.2,59.6
Board_10-unconnected-(D1-SLUG-Pad9) on Bottom: 8.2,56.4 28.5,56.4 28.5,33.9 8.2,33.9
Board_11-unconnected-(D1-SLUG-Pad9) on Bottom: 31.7,56.4 52,56.4 52,33.9 31.7,33.9
Board_12-unconnected-(D1-SLUG-Pad9) on Bottom: 55.2,56.4 75.5,56.4 75.5,33.9 55.2,33.9
Board_13-unconnected-(D1-SLUG-Pad9) on Bottom: 78.7,56.4 99,56.4 99,33.9 78.7,33.9
Board_14-unconnected-(D1-SLUG-Pad9) on Bottom: 102.2,56.4 122.5,56.4 122.5,33.9 102.2,33.9
Board_15-unconnected-(D1-SLUG-Pad9) on Bottom: 8.2,30.7 28.5,30.7 28.5,8.2 8.2,8.2
Board_16-unconnected-(D1-SLUG-Pad9) on Bottom: 31.7,30.7 52,30.7 52,8.2 31.7,8.2
Board_17-unconnected-(D1-SLUG-Pad9) on Bottom: 55.2,30.7 75.5,30.7 75.5,8.2 55.2,8.2
Board_18-unconnected-(D1-SLUG-Pad9) on Bottom: 78.7,30.7 99,30.7 99,8.2 78.7,8.2
Board_19-unconnected-(D1-SLUG-Pad9) on Bottom: 102.2,30.7 122.5,30.7 122.5,8.2 102.2,8.2

## Text on the board
B.Silkscreen: SMPBR-Fluoro LED / TrendBit s.r.o. / 11/2024  v1.0 | Designed by: / Petr Malaník | NTC | ESD | - | + | TEMP | LED | TrendBit s.r.o. | Smart Modular Photo BioReactor - Fluorometer LED 10W | 11/2024 v1.0 | Designed by: Petr Malaník
User.Comments: V-CUT
